# KiCad board reform2-motherboard.kicad_pcb (continued)
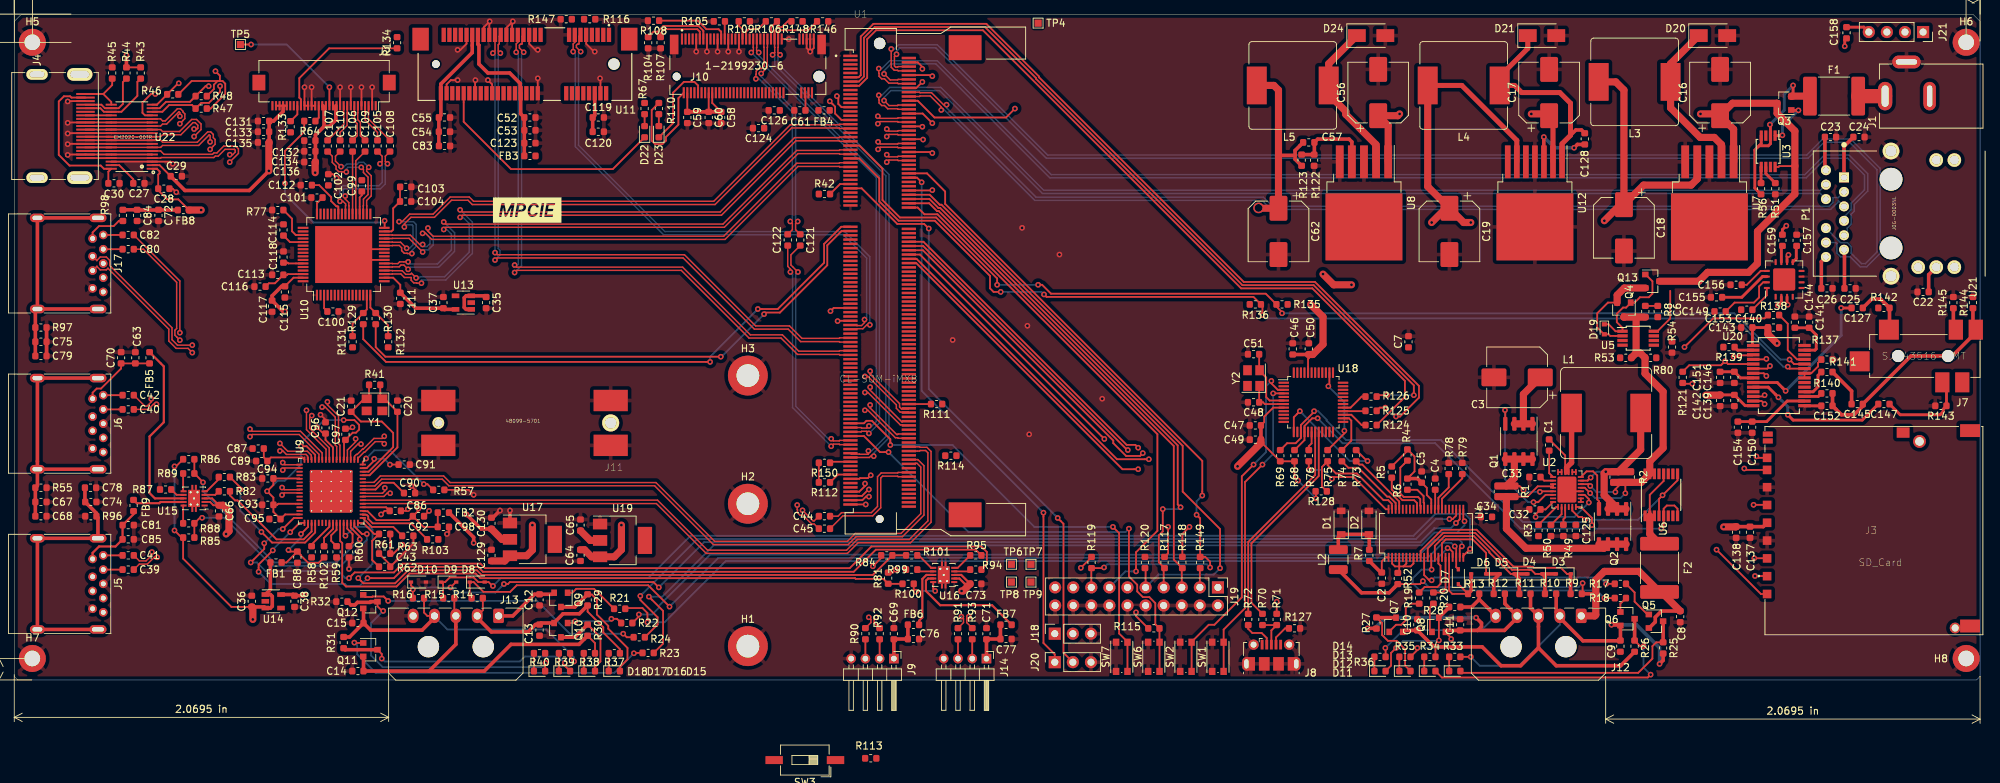
[diagram p0: board, top side]
## Routing (per net, layer and track width the routed paths; a pad name or vN(x,y) marks a point on that pad's centre or on a via; arc(x,y) is an arc through that point) (continued)
  Top w0.5: 58.25,1.25 66,1.25 69.75,5 79.29,5 R30.1 ; 58.25,1.25 62,5 J13.3 ; 58.25,1.25 C14.1 49.04,3.26 Q11.2
BAT8+: length 44.7
  Top w0.25: v1(78.6,2.6) 78.04,3.16 R39.1 ; J13.4 58,9 57.54,9.46 R16.1
  Top w0.5: Q12.2 49.04,10.01 C15.1 ; C15.1 50.04,7 57.26,7 59,8.74 J13.4 ; C15.1 47.08,6.04 R31.1
  Bottom w0.25: v1(78.6,2.6) 78.6,3.17 74.67,7.1 60.8,7.1 59,8.9 J13.4
BATPWR: length 50.3
  Top w0.25: v1(221.27,27.25) 221.02,27.5 U2.20 ; v1(221.26,26.24) 220.5,27 U2.19 ; U6.15 U6.14 230.37,29.05 ; v1(226.2,26.22) 226.2,27.3 R2.1 224.8,26.8 v1(224.8,26.4)
  Top w1: 226,50.95 Q4.3 226.04,50.96 227.71,50.96 ; 227.71,50.96 227.71,45.92 ; 227.71,50.96 R8.1 ; 227.71,45.92 228.29,45.92 R80.2 228.96,43.04 231.5,40.5 231.5,32.58 229.62,30.7 U6.15 228.43,27.75 225.25,27.75 ; 227.71,45.92 R53.2
  Bottom w0.25: v1(221.27,27.25) 222.12,26.4 v1(224.8,26.4) ; v1(226.2,26.22) 225.52,25.55 221.95,25.55 v1(221.26,26.24)
BMON_CS: length 14.9
  Top w0.25: v1(181.75,29.5) R76.1 ; v1(185,28.25) 185.25,28.5 188.05,28.5 192.57,23.97 U4.44
  Bottom w0.25: v1(181.75,29.5) 183.75,29.5 v1(185,28.25)
BMON_SCK: length 9.5
  Top w0.25: R73.1 188.86,30.25 189.26,30.25 194.45,25.06 U4.41
BMON_SDI: length 10.9
  Top w0.25: R74.1 187.31,29.81 188.69,29.81 192.75,25.75 193.05,25.75 193.95,24.85 U4.42
BMON_SDO: length 17.4
  Top w0.25: R128.1 183.6,27.19 183.6,29.91 R75.1 184.4,30.17 185.57,29 188.5,29 192.25,25.25 192.91,25.25 193.4,24.76 193.4,24.02 U4.43
CHG_SCL: length 74.9
  Top w0.25: v1(220.5,22.5) 220.1,22.9 219.63,22.9 218.75,23.78 U2.13 ; U6.9 233.52,28.04 230.93,25.44 U6.4 ; R69.2 178.71,33.25 179.9,33.25 180.65,34 U18.15 180.65,35.81 182.5,37.66 v1(182.5,37.75)
  Bottom w0.25: v1(231.42,25.94) 227.99,22.5 v1(220.5,22.5) 220.17,22.17 211.83,22.17 200.3,33.7 186.98,33.7 184.25,36.43 184.25,36.57 183.07,37.75 v1(182.5,37.75)
CHG_SDA: length 71.5
  Top w0.25: v1(221.5,21.75) 221.5,22.75 219.95,24.3 U2.14 ; v1(183,36.75) 182.22,36.75 181.15,35.67 U18.16 181.15,33.69 R68.2 ; U6.8 233.52,24.05 233.07,24.5 232.02,24.5 231.57,24.05 U6.5 231.57,21.58 v1(231.25,21.25)
  Bottom w0.25: v1(231.25,21.25) 222,21.25 v1(221.5,21.75) 220.93,21.75 220.43,21.25 211.5,21.25 199.5,33.25 186.5,33.25 v1(183,36.75)
DAC_BCLK: length 135.2
  Top w0.25: U20.3 244.07,45.6 242.17,45.6 241.97,45.4 v1(241.4,45.4) ; U1.197 118.65,26.45 119.45,27.25 v1(119.45,27.58)
  Signal.Cu w0.25: v1(241.4,45.4) 241,45.8 138.5,45.8 120.28,27.58 v1(119.45,27.58)
DAC_DIN: length 139.7
  Top w0.25: U1.203 v1(119.55,24.65) ; v1(246.5,44.1) 246.12,43.72 U20.6
  Signal.Cu w0.25: v1(246.5,44.1) 246,43.6 139.42,43.6 120.47,24.65 v1(119.55,24.65)
DAC_DOUT: length 138.7
  Top w0.25: v1(120,25.75) 119.58,25.75 119.08,25.25 U1.201 ; v1(246,45.1) 245.93,45.03 U20.4
  Signal.Cu w0.25: v1(246,45.1) 244.95,44.05 139.21,44.05 120.91,25.75 v1(120,25.75)
DAC_MCLK: length 138.3
  Top w0.25: v1(234.5,46.75) 238.54,50.79 245.75,50.79 R138.2 ; v1(120.25,28.75) 119.85,28.35 118.75,28.35 118.65,28.25 U1.191
  Signal.Cu w0.25: v1(234.5,46.75) 138.81,46.75 121.21,29.15 120.65,29.15 v1(120.25,28.75)
DAC_RXFS: length 14.3
  Top w0.25: U20.7 245.62,43.08 v1(246,42.7) ; R121.2 234.36,41.6 v1(235.6,41.6)
  Signal.Cu w0.25: v1(246,42.7) 244.9,41.6 v1(235.6,41.6)
DAC_SCL: length 150
  Top w0.25: v1(178,51.5) 178,51.66 177,52.66 ; v1(249.25,45) 249.88,44.38 U20.24 ; U1.43 118.65,75.05 121.9,71.8 121.9,67.4 124.35,64.95 129.44,64.95 138,56.39 v1(138,55.5) ; R135.2 175.71,54.25 145.57,54.25 144.32,55.5 v1(143.75,55.5)
  Bottom w0.25: v1(178,51.5) 241.5,51.5 248,45 v1(249.25,45) ; v1(138,55.5) v1(143.75,55.5)
DAC_SDA: length 149.8
  Top w0.25: v1(175.25,51.25) 175.25,52.41 175,52.66 ; v1(138.5,54.5) 137.5,54.5 137,55 137,56.75 129.25,64.5 124.16,64.5 121.45,67.21 121.45,70.45 118.65,73.25 U1.49 ; R136.2 173.99,53.8 144.92,53.8 v1(144.58,54.15) ; U20.23 249.27,43.72 v1(249,44)
  Bottom w0.25: v1(175.25,51.25) 175.73,50.77 241.59,50.77 248.36,44 v1(249,44) ; v1(138.5,54.5) 144.22,54.5 v1(144.58,54.15)
DAC_TXFS: length 141.3
  Top w0.25: U1.199 119.03,25.85 119.89,26.71 120,26.71 v1(120,26.75) ; U20.5 240.6,44.38 v1(240.2,44.78) 239.62,44.2 235.16,44.2 R121.1
  Signal.Cu w0.25: v1(240.2,44.78) 138.11,44.78 120.09,26.75 v1(120,26.75)
DSI_D0_N: length 78.9
  Top w0.2: v1(62.6,64.97) 62.9,65.28 99.29,65.28 109.74,75.72 115.82,75.72 115.9,75.65 U1.41 ; v1(56.43,56.47) 55.78,57.12 55.64,56.97 54.96,56.97 54.46,57.47 53.1,57.47 53.08,57.5 U10.20
  Bottom w0.2: v1(56.43,56.47) 56.85,56.47 57.01,56.62 60.41,56.62 63.88,60.09 63.88,64.11 63.01,64.97 v1(62.6,64.97)
DSI_D0_P: length 81.2
  Top w0.2: v1(62.6,66.03) 62.9,65.72 99.11,65.72 109.56,76.17 115.82,76.17 115.9,76.25 U1.39 ; U10.19 53.08,57 53.1,57.03 54.28,57.03 54.78,56.53 55.73,56.53 55.73,56.14 56.09,55.77 56.49,55.77 56.53,55.73 v1(57.17,55.73)
  Bottom w0.2: v1(57.17,55.73) 57.17,56.15 57.19,56.17 60.59,56.17 64.33,59.91 64.33,64.3 v1(62.6,66.03)
DSI_D1_N: length 75.6
  Top w0.2: v1(60.3,63.28) 60.6,63.58 99.69,63.58 110.04,73.92 115.82,73.92 115.9,73.85 U1.47 ; v1(55.3,58.72) 54.11,58.72 53.86,58.47 53.1,58.47 53.08,58.5 U10.22
  Bottom w0.2: v1(60.3,63.28) 60.71,63.28 61.38,62.61 61.38,60.39 59.41,58.42 55.6,58.42 v1(55.3,58.72)
DSI_D1_P: length 77.6
  Top w0.2: v1(60.3,64.33) 60.6,64.03 99.51,64.03 109.86,74.38 115.82,74.38 115.9,74.45 U1.45 ; v1(55.3,57.67) 54.7,58.28 54.29,58.28 54.04,58.03 53.1,58.03 53.08,58 U10.21
  Bottom w0.2: v1(60.3,64.33) 61.83,62.8 61.83,60.21 59.59,57.97 55.6,57.97 v1(55.3,57.67)
DSI_D2_N: length 77.8
  Top w0.2: v1(55.09,60.63) 54.24,61.47 53.1,61.47 53.08,61.5 U10.28 ; v1(54.77,63.63) 54.77,64.05 55.69,64.97 58.99,64.97 61.39,67.38 63.71,67.38 64.31,66.78 98.39,66.78 109.14,77.53 115.82,77.53 115.9,77.45 U1.35
  Bottom w0.2: v1(55.09,60.63) 55.51,60.63 55.97,61.09 55.97,63.81 55.86,63.92 55.06,63.92 v1(54.77,63.63)
DSI_D2_P: length 81
  Top w0.2: U10.27 53.08,61 53.1,61.03 54.06,61.03 54.39,60.69 54.39,60.3 54.75,59.93 55.15,59.93 55.19,59.89 v1(55.83,59.89) ; v1(54.03,64.37) 54.45,64.37 55.51,65.42 58.81,65.42 61.21,67.83 63.89,67.83 64.49,67.22 98.21,67.22 108.96,77.97 115.82,77.97 115.9,78.05 U1.33
  Bottom w0.2: v1(55.83,59.89) 55.83,60.31 56.42,60.91 56.42,63.99 56.05,64.37 v1(54.03,64.37)
DSI_D3_N: length 74.1
  Top w0.2: v1(57.33,62.73) 57.75,62.73 58.61,61.88 99.79,61.88 110.04,72.12 115.82,72.12 115.9,72.05 U1.53 ; U10.30 53.08,62.5 53.1,62.47 55.61,62.47 56.93,61.16 v1(57.34,61.16)
  Bottom w0.2: v1(57.34,61.16) 57.64,60.86 57.94,60.86 58.38,61.29 58.38,62.11 57.75,62.73 v1(57.33,62.73)
DSI_D3_P: length 75.1
  Top w0.2: v1(57.34,60.11) 55.43,62.03 53.1,62.03 53.08,62 U10.29 ; U1.51 115.9,72.65 115.82,72.58 109.86,72.58 99.61,62.33 58.79,62.33 58.07,63.05 v1(58.07,63.47)
  Bottom w0.2: v1(58.07,63.47) 58.07,63.05 58.83,62.29 58.83,61.11 58.13,60.41 57.64,60.41 v1(57.34,60.11)
EDP_AUX_DN: length 5.8
  Top w0.2: J2.10 46.25,79.67 46.28,79.65 46.28,78.06 C107.1
EDP_AUX_DP: length 5.3
  Top w0.2: J2.9 46.75,79.67 46.72,79.65 46.72,77.88 45.75,76.9 C110.1
EDP_SCL: length 81.6
  Top w0.25: v1(97.7,44.67) 52.19,44.67 49,47.86 R129.2 ; v1(104.4,52.1) 107.2,52.1 113.7,58.6 113.7,61.24 116.11,63.65 U1.73
  Bottom w0.25: v1(97.7,44.67) 97.7,45.4 v1(104.4,52.1)
EDP_SDA: length 79.4
  Top w0.25: v1(99.2,45.4) 52.1,45.4 50.75,46.75 R130.2 ; U1.75 116.15,63.05 114.15,61.05 114.15,58.25 107.5,51.6 105.4,51.6 105.4,51.5 v1(105.28,51.38)
  Bottom w0.25: v1(105.28,51.38) 99.3,45.4 v1(99.2,45.4)
EDP_TX0_DN: length 5.3
  Top w0.2: J2.7 47.75,79.67 47.78,79.65 47.78,78.51 48.15,78.13 48.15,76.44 C106.1
EDP_TX0_DP: length 5.3
  Top w0.2: C109.1 48.6,76.44 48.6,78.32 48.22,78.69 48.22,79.65 48.25,79.67 J2.6
EDP_TX1_DN: length 5.6
  Top w0.2: J2.4 49.25,79.67 49.28,79.65 49.28,78.63 51,76.9 C105.1
EDP_TX1_DP: length 6.1
  Top w0.2: J2.3 49.75,79.67 49.72,79.65 49.72,78.81 C108.1
ETH0_A+: length 175.9
  Top w0.2: v1(123.13,88.62) 123.13,86.05 123.56,85.62 124.02,85.62 124.1,85.55 U1.8
  Bottom w0.2: v1(123.13,88.62) 123.55,88.62 124.16,89.22 129.59,89.22 145.09,73.72 251.66,73.72 253.91,75.97 257.84,75.97 261.98,71.84 261.98,59.91 260.09,58.03 259.16,58.03 257.76,59.43 256.42,59.43 255.9,59.95 255.9,61.29 255.75,61.44 P1.11
ETH0_A-: length 173.1
  Top w0.2: U1.6 124.1,86.15 124.02,86.08 123.74,86.08 123.58,86.24 123.58,87.59 v1(123.87,87.88)
  Bottom w0.2: P1.10 256.4,61.42 257.38,61.42 257.9,60.9 257.9,59.93 259.35,58.47 259.91,58.47 261.52,60.09 261.52,71.66 257.66,75.53 254.09,75.53 251.84,73.28 144.91,73.28 129.41,88.78 124.34,88.78 123.87,88.3 v1(123.87,87.88)
ETH0_B+: length 158.7
  Top w0.2: U1.12 124.1,84.35 124.02,84.28 122.97,84.28 v1(122.12,85.13)
  Bottom w0.2: P1.4 256.9,65.04 257.9,66.04 257.9,66.97 259.77,68.84 259.77,70.91 257.41,73.28 254.34,73.28 251.59,70.53 145.41,70.53 129.41,86.53 123.09,86.53 122.12,85.55 v1(122.12,85.13)
ETH0_B-: length 163.9
  Top w0.2: U1.14 124.1,83.75 124.02,83.83 122.79,83.83 122.18,84.43 121.79,84.43 121.42,84.79 121.42,85.19 121.38,85.23 v1(121.38,85.87)
  Bottom w0.2: P1.5 257.35,62.91 257.35,63.46 257.9,64.01 257.9,65.4 258.35,65.85 258.35,66.78 260.23,68.66 260.23,71.09 257.59,73.72 254.16,73.72 251.41,70.97 145.59,70.97 129.59,86.97 122.91,86.97 121.8,85.87 v1(121.38,85.87)
ETH0_C+: length 139.1
  Top w0.2: U1.20 127.1,81.95 127.18,82.03 128.61,82.03 130.15,80.48 v1(130.15,80.05)
  Bottom w0.2: v1(130.15,80.05) 130.53,80.05 130.54,80.05 130.59,80.05 143.28,67.35 175.2,67.35 176.47,66.09 255.03,66.09 256.11,67.17 256.11,67.31 P1.3
ETH0_C-: length 139.4
  Top w0.2: v1(130.9,80.8) 130.47,80.8 128.79,82.47 127.18,82.47 127.1,82.55 U1.18
  Bottom w0.2: P1.2 256.11,67.75 255.36,67.75 255.36,67.06 254.84,66.54 176.65,66.54 175.39,67.8 143.47,67.8 130.9,80.36 130.9,80.41 130.9,80.42 v1(130.9,80.8)
ETH0_D+: length 145.4
  Top w0.2: v1(121.38,82.12) 121.38,81.48 121.42,81.44 121.42,81.04 121.79,80.68 122.18,80.68 122.64,80.22 124.02,80.22 124.1,80.15 U1.26
  Bottom w0.2: P1.8 253.57,68.78 144.54,68.78 130.09,83.22 122.91,83.22 121.8,82.12 v1(121.38,82.12)
ETH0_D-: length 143.2
  Top w0.2: v1(122.12,81.38) 122.82,80.67 124.02,80.67 124.1,80.75 U1.24
  Bottom w0.2: v1(122.12,81.38) 122.12,81.8 123.09,82.78 129.91,82.78 144.36,68.33 253.57,68.33 P1.9
ETH0_LED_LINK1: length 168.1
  Top w0.25: v1(127.5,84) 126.65,83.15 U1.16
  Signal.Cu w0.25: v1(127.5,84) 128.76,84 164.76,48 265.75,48 272.39,54.64 P1.17
ETH0_LED_LINK2: length 198.9
  Top w0.25: v1(140.5,80.25) 139.25,79 129.2,79 126.85,81.35 U1.22
  Signal.Cu w0.25: P1.15 267.31,61.56 275.25,69.5 275.25,73.25 273.25,75.25 268.72,75.25 266.25,72.78 266.25,65 250.25,49 171.75,49 v1(140.5,80.25)
ETH0_LED_RX: length 173.4
  Top w0.25: v1(127.5,85.83) 127.5,86.1 126.85,86.75 U1.4
  Signal.Cu w0.25: P1.13 269.85,67.85 250.5,48.5 166.75,48.5 129.43,85.83 v1(127.5,85.83)
HDMI_CEC: length 118.8
  Top w0.25: U22.16 18.35,79.3 18,79.65 18,81.1 19.2,82.3 v1(19.8,82.3) ; v1(127.5,77.7) 127.45,77.75 U1.34
  Signal.Cu w0.25: v1(127.5,77.7) 124.65,80.55 114.15,80.55 114.05,80.65 28.45,80.65 24.4,84.7 22.2,84.7 v1(19.8,82.3)
HDMI_D0+: length 118.5
  Top w0.2: U1.36 124.1,77.15 124.02,77.08 122.8,77.08 v1(122.5,77.38) ; U22.29 U22.10 20.55,76.3 20.83,76.58 23.39,76.58 25.09,78.28 25.41,78.28 25.78,77.91 25.78,77.49 25.66,77.38 v1(25.25,77.38)
  Top w0.25: U22.29 J4.7
  Signal.Cu w0.2: v1(25.25,77.38) 25.55,77.08 122.2,77.08 v1(122.5,77.38)
HDMI_D0-: length 120.2
  Top w0.2: v1(25.25,76.33) 26.22,77.3 26.22,78.09 25.59,78.72 24.91,78.72 23.21,77.03 20.83,77.03 20.55,77.3 U22.12 ; v1(122.5,76.33) 122.8,76.62 124.02,76.62 124.1,76.55 U1.38
  Top w0.25: U22.12 U22.27 J4.9
  Signal.Cu w0.2: v1(25.25,76.33) 25.55,76.62 122.2,76.62 v1(122.5,76.33)
HDMI_D1+: length 117.6
  Top w0.2: v1(27.5,75.58) 27.5,76.43 27.41,76.53 27.34,76.53 25.89,75.08 20.83,75.08 20.55,74.8 U22.7 U22.32 ; v1(121.28,75.58) 121.58,75.28 124.02,75.28 124.1,75.35 U1.42
  Top w0.25: U22.32 J4.4
  Signal.Cu w0.2: v1(121.28,75.58) 120.98,75.28 27.8,75.28 v1(27.5,75.58)
HDMI_D1-: length 119.8
  Top w0.2: U1.44 124.1,74.75 124.02,74.83 121.58,74.83 v1(121.28,74.53) ; v1(27.5,74.53) 27.95,74.97 27.95,74.99 28.2,75.24 28.2,75.91 27.95,76.16 27.95,76.62 27.59,76.97 27.16,76.97 25.71,75.53 20.83,75.53 20.55,75.8 U22.9
  Top w0.25: U22.9 U22.30 J4.6
  Signal.Cu w0.2: v1(27.5,74.53) 27.8,74.83 120.98,74.83 v1(121.28,74.53)
HDMI_D2+: length 118.7
  Top w0.2: v1(30.25,73.78) 30.66,73.78 31.03,74.14 31.03,74.41 30.91,74.53 29.59,74.53 28.64,73.58 28.22,73.58 28.02,73.38 20.63,73.38 20.55,73.3 U22.4 U22.35 ; v1(122.5,73.78) 122.8,73.47 124.02,73.47 124.1,73.55 U1.48
  Top w0.25: U22.35 J4.1
  Signal.Cu w0.2: v1(122.5,73.78) 122.2,73.47 53.1,73.47 52.92,73.65 50.83,73.65 50.65,73.47 30.55,73.47 v1(30.25,73.78)
HDMI_D2-: length 120.6
  Top w0.2: U22.6 20.55,74.3 21.03,73.82 27.84,73.82 28.04,74.03 28.46,74.03 29.41,74.97 31.09,74.97 31.47,74.59 31.47,73.95 v1(30.25,72.72) ; v1(122.5,72.72) 122.8,73.03 124.02,73.03 124.1,72.95 U1.50
  Top w0.25: J4.3 U22.33 U22.6
  Signal.Cu w0.2: v1(122.5,72.72) 122.2,73.03 52.91,73.03 52.74,73.2 51.01,73.2 50.84,73.03 30.55,73.03 v1(30.25,72.72)
HDMI_D3+: length 117.4
  Top w0.2: U1.30 124.1,78.95 124.02,78.88 121.55,78.88 v1(121.25,79.17) ; v1(23.25,79.17) 23.25,79.68 23.16,79.78 23.09,79.78 21.39,78.08 20.83,78.08 20.55,77.8 U22.13
  Top w0.25: U22.13 U22.26 J4.10
  Signal.Cu w0.2: v1(121.25,79.17) 120.95,78.88 23.55,78.88 v1(23.25,79.17)
HDMI_D3-: length 119.6
  Top w0.2: U1.32 124.1,78.35 124.02,78.42 121.55,78.42 v1(121.25,78.12) ; U22.15 20.55,78.8 20.83,78.53 21.21,78.53 22.91,80.22 23.34,80.22 23.7,79.87 23.7,79.76 23.95,79.51 23.95,78.84 23.7,78.59 23.7,78.58 v1(23.25,78.12)
  Top w0.25: J4.12 U22.24 U22.15
  Signal.Cu w0.2: v1(23.25,78.12) 23.55,78.42 120.95,78.42 v1(121.25,78.12)
HDMI_HPD: length 114.7
  Top w0.25: v1(127.6,75.9) 127.55,75.95 U1.40 ; R46.1 23.01,83.8 v1(23.1,83.8) ; U22.19 20.03,80.8 21.23,82 21.46,82
  Signal.Cu w0.25: v1(127.6,75.9) 126.53,75.9 122.43,80 26.9,80 v1(23.1,83.8)
HDMI_SCL: length 102.1
  Top w0.25: U22.17 20.8,79.8 21.75,80.75 24.96,80.75 R47.1 26.26,81.05 27.33,81.05 28.9,82.62 v1(28.9,83.4) ; v1(115.5,82) 115.6,81.9 115.6,81.8 115.7,81.7 115.7,80.9 116.15,80.45 U1.25
  Signal.Cu w0.25: v1(28.9,83.4) 29.47,83.4 30.87,82 v1(115.5,82)
HDMI_SDA: length 101.8
  Top w0.25: v1(114.5,81.27) 115.25,80.52 115.25,79.55 116.15,78.65 U1.31 ; U22.18 20.41,80.3 21.31,81.2 24.66,81.2 R48.1 26.86,83.4 v1(27.3,83.4)
  Signal.Cu w0.25: v1(114.5,81.27) 29.43,81.27 v1(27.3,83.4)
IMX_JTAG_RSTn: length 95.2
  Top w0.25: v1(167.9,15.8) 167.9,16.6 167.21,17.29 R149.2 166.5,22.7 v1(166,23.2) ; v1(153,15.8) 152.91,15.71 R119.2 151.22,15.68 J19.15 ; U1.56 128.15,71.15 130.7,68.6 130.7,66.87 166.8,30.77 v1(166.8,25.9)
  Bottom w0.25: v1(153,15.8) 153.45,16.25 167.45,16.25 v1(167.9,15.8) ; v1(166,23.2) 166,25.1 v1(166.8,25.9)
IMX_JTAG_TCK: length 86.7
  Top w0.25: J19.9 158.84,15.62 R120.1 ; U1.66 128.53,68.15 129.93,66.75 130.18,66.75 164.05,32.88 164.05,26.45 169.3,21.2 v1(169.3,15.7)
  Bottom w0.25: v1(169.3,15.7) 168.4,14.8 160.64,14.8 J19.9
IMX_JTAG_TDI: length 71.7
  Top w0.25: J19.5 163.92,15.63 R118.2 162.8,16.91 162.8,32.86 129.81,65.85 129.56,65.85 128.46,66.95 U1.70
IMX_JTAG_TDO: length 73.3
  Top w0.25: v1(157.5,15.25) 157.5,17.94 160.5,20.94 160.5,34.52 129.62,65.4 127.8,65.4 126.85,66.35 U1.72
  Bottom w0.25: v1(157.5,15.25) 156.01,15.25 J19.13
IMX_JTAG_TMS: length 75.2
  Top w0.25: v1(163.75,24.25) 163.35,24.65 163.35,32.95 130,66.3 129.75,66.3 128.5,67.55 U1.68 ; v1(161.25,24) 161.25,20.86 160.7,20.31 160.7,16.51 R117.2 161.38,15.59 J19.7
  Bottom w0.25: v1(163.75,24.25) 163.5,24 v1(161.25,24)
IMX_ONOFF: length 64.8
  Top w0.25: v1(154.25,21.5) 155.12,20.63 155.12,6.53 156.3,5.35 SW7.2 SW7.2 ; v1(123,33) 123,33.82 120.42,36.4 119.65,36.4 119.3,36.05 U1.165
  Bottom w0.25: v1(123,33) 131.73,33 143.23,21.5 v1(154.25,21.5)
IMX_RESETn: length 67.2
  Top w0.25: v1(156.5,21.25) 156.5,14.54 157.66,13.37 157.66,12.44 158.47,11.64 159.36,11.64 160.2,10.8 160.2,7.83 R115.2 160.79,5.31 SW6.2 SW6.2 ; v1(122.75,32) 121.55,32 119.3,34.25 U1.171
  Bottom w0.25: v1(122.75,32) 133.98,20.77 156.02,20.77 v1(156.5,21.25)
IMX_UART1_RX: length 75
  Top w0.25: v1(115.6,50.4) 115.65,50.45 U1.117
  Signal.Cu w0.25: v1(115.6,50.4) 122.55,43.45 122.55,33.62 122.02,33.1 122.02,31.02 120.85,29.85 120.15,29.85 118.6,28.3 118.6,16.15 123.15,11.6 141.1,11.6 144.6,8.1 147.03,8.1 J18.2
IMX_UART1_TX: length 75.8
  Top w0.25: v1(114.6,51.8) 115.05,52.25 U1.111
  Signal.Cu w0.25: v1(114.6,51.8) 114.6,50.2 122.1,42.7 122.1,33.81 121.57,33.28 121.57,31.21 120.66,30.3 119.96,30.3 118.15,28.49 118.15,15.96 122.96,11.15 140.34,11.15 144.99,6.5 J18.1
IMX_UART2_RX: length 82.6
  Top w0.25: v1(146.5,22.75) 147.32,21.93 147.32,3.81 J20.2 ; v1(128.4,63.4) 127.75,64.05 123.98,64.05 118.98,69.05 U1.63
  Bottom w0.25: v1(146.5,22.75) 128.4,40.85 v1(128.4,63.4)
IMX_UART2_TX: length 77.2
  Top w0.25: J20.1 146.09,3.6 144.5,5.19 v1(144.5,23.5) ; U1.58 126.75,70.55 v1(127.4,69.9)
  Bottom w0.25: v1(144.5,23.5) 127.4,40.6 v1(127.4,69.9)
LPC_MISO: length 112.5
  Top w0.25: R124.2 194.74,39.25 194.75,39.25 195.25,39.75 195.25,42 182.25,55 172.25,55 136,91.25 121,91.25 119.75,90 119.75,84.57 118.63,83.45 U1.15
LPC_MOSI: length 116.6
  Top w0.25: v1(192.5,38.25) 191.74,38.25 R125.2 ; U1.11 118.56,84.65 118.85,84.94 118.85,90.37 120.63,92.15 136.49,92.15 143.89,84.75 143.89,84.64 172.62,55.9 182.62,55.9 197.23,41.3 197.23,39.66 194.57,37 v1(194,37)
  Bottom w0.25: v1(194,37) 193.75,37 v1(192.5,38.25)
LPC_SCK: length 113
  Top w0.25: v1(196.5,40) 196.5,41.39 182.44,55.45 172.44,55.45 143.44,84.45 143.44,84.56 136.3,91.7 120.81,91.7 119.3,90.19 119.3,84.75 118.6,84.05 U1.13 ; v1(192.75,40) 191.49,40 R126.2
  Bottom w0.25: v1(196.5,40) v1(192.75,40)
PCIE1_CLK_N: length 76.1
  Top w0.2: U11.11 79.3,90.4 79.3,89.36 79.24,89.3 79.08,89.3 78.92,89.15 78.92,88.85 v1(79.53,88.25) ; U1.121 118.22,49.25 118.3,49.33 119.14,49.33 119.7,49.88 v1(120.12,49.88)
  Bottom w0.2: v1(120.12,49.88) 120.12,59.45 116.59,62.97 91.34,62.97 79.22,75.09 79.22,87.95 v1(79.53,88.25)
PCIE1_CLK_P: length 74.7
  Top w0.2: v1(119.38,50.62) 119.38,50.2 118.96,49.78 118.3,49.78 118.22,49.85 U1.119 ; v1(78.47,88.25) 78.47,89.33 78.7,89.56 U11.13
  Bottom w0.2: v1(119.38,50.62) 119.67,50.91 119.67,59.26 116.41,62.53 91.16,62.53 78.78,74.91 78.78,87.95 v1(78.47,88.25)
PCIE1_RX_N: length 86.7
  Top w0.2: v1(71.53,88.16) 70.92,88.76 70.92,89.15 71.08,89.3 71.24,89.3 71.3,89.36 71.3,90.4 U11.23 ; v1(70.25,57.22) 70.55,57.53 93.66,57.53 103.16,48.03 107.66,48.03 109.96,45.72 115.82,45.72 115.9,45.65 U1.133
  Bottom w0.2: v1(71.53,88.16) 71.22,87.86 71.22,58.2 v1(70.25,57.22)
PCIE1_RX_P: length 85.2
  Top w0.2: U1.131 115.9,46.25 115.82,46.17 110.14,46.17 107.84,48.47 103.34,48.47 93.84,57.97 70.55,57.97 v1(70.25,58.28) ; U11.25 70.7,89.56 70.47,89.33 v1(70.47,88.16)
  Bottom w0.2: v1(70.25,58.28) 70.66,58.28 70.78,58.39 70.78,87.86 v1(70.47,88.16)
PCIE1_TX_N: length 87.3
  Top w0.2: U11.31 68.1,90.4 68.1,89.36 67.95,89.21 67.95,88.33 v1(68.25,88.03) ; v1(67.5,58.97) 67.8,59.28 93.91,59.28 103.91,49.28 108.66,49.28 110.41,47.53 115.82,47.53 115.9,47.45 U1.127
  Bottom w0.2: v1(68.25,88.03) 67.95,87.73 67.95,60.61 68.2,60.36 68.2,59.69 67.95,59.44 67.95,59.42 v1(67.5,58.97)
PCIE1_TX_P: length 85.7
  Top w0.2: U1.125 115.9,48.05 115.82,47.97 110.59,47.97 108.84,49.72 104.09,49.72 94.09,59.72 67.8,59.72 v1(67.5,60.03) ; v1(67.2,88.03) 67.5,88.33 U11.33
  Bottom w0.2: v1(67.5,60.03) 67.5,87.73 v1(67.2,88.03)
PCIE2_CLK_N: length 72.9
  Top w0.2: J10.53 106.75,88.86 106.78,88.84 106.78,88.1 v1(106.47,87.8) ; v1(119.93,32.17) 119.93,31.75 119.88,31.7 118.67,31.7 118.64,31.73 117.52,31.73 U1.179
  Top w0.25: R148.1 108.6,92.5 107.8,91.7 107.28,91.7 106.75,91.17 J10.53
  Bottom w0.2: v1(119.93,32.17) 120.35,32.17 122.38,34.19 122.38,70.81 106.78,86.41 106.78,87.5 v1(106.47,87.8)
PCIE2_CLK_P: length 76.6
  Top w0.2: U1.181 120.07,31.25 120.25,31.43 v1(120.67,31.43) ; J10.55 107.25,88.86 107.22,88.84 107.22,88.1 v1(107.53,87.8)
  Top w0.25: J10.55 107.25,91.04 107.46,91.25 111.46,91.25 R146.1
  Bottom w0.2: v1(107.53,87.8) 107.22,87.5 107.22,86.59 122.82,70.99 122.82,34.01 120.67,31.85 v1(120.67,31.43)
PCIE2_RX_N: length 65.2
  Top w0.2: J10.41 103.75,88.86 103.78,88.84 103.78,88.42 v1(103.47,88.12) ; v1(120,35.67) 119.7,35.38 118.98,35.38 118.9,35.45 U1.167
  Bottom w0.2: v1(103.47,88.12) 121.03,70.57 121.03,36.29 120.41,35.67 v1(120,35.67)
PCIE2_RX_P: length 65.9
  Top w0.2: v1(120,34.62) 119.7,34.92 118.98,34.92 118.9,34.85 U1.169 ; v1(104.53,88.12) 104.22,88.42 104.22,88.84 104.25,88.86 J10.43
  Bottom w0.2: v1(104.53,88.12) 104.53,87.71 121.47,70.76 121.47,36.1 v1(120,34.62)
PCIE2_TX_N: length 33.6
  Top w0.2: C122.2 108.6,58.09 108.97,57.71 v1(108.97,57.3) ; U1.175 115.9,33.05 115.82,33.12 115,33.12 v1(114.7,32.83)
  Bottom w0.2: v1(114.7,32.83) 109.28,38.25 109.28,57 v1(108.97,57.3)
PCIE2_TX_P: length 33.4
  Top w0.2: v1(110.03,57.3) 109.05,58.28 109.05,59.71 C121.2 ; U1.173 115.9,33.65 115.82,33.58 115,33.58 v1(114.7,33.88)
  Bottom w0.2: v1(114.7,33.88) 114.29,33.88 109.72,38.44 109.72,57 v1(110.03,57.3)
SD2_CD: length 3.4
  Top w0.25: U1.61 115.94,69.65 R42.2
SD2_CLK: length 139.7
  Top w0.25: v1(244.2,24.6) 246.07,24.6 J3.5 ; U1.80 127.65,61.55 156.18,33.02 157.4,33.02 v1(157.8,32.62)
  Signal.Cu w0.25: v1(244.2,24.6) 244.2,30.3 241.35,33.15 224.46,33.15 224.31,33.3 162.65,33.3 161.97,32.62 v1(157.8,32.62)
SD2_CMD: length 140.1
  Top w0.25: v1(156.34,32.29) 156.27,32.29 127.61,60.95 U1.82 ; J3.2 246.07,17.1 v1(244.3,17.1)
  Signal.Cu w0.25: v1(156.34,32.29) 158.44,30.2 161.46,30.2 163.21,31.95 223.75,31.95 238.6,17.1 v1(244.3,17.1)
SD2_DATA0: length 134.6
  Top w0.25: U1.84 127.58,60.35 154.31,33.62 154.31,33.26 156.11,31.46 158.05,31.46 v1(158.45,31.86) ; v1(242.9,29.7) 243.1,29.5 J3.7
  Signal.Cu w0.25: v1(158.45,31.86) 161.85,31.86 162.84,32.85 224.12,32.85 227.27,29.7 v1(242.9,29.7)
SD2_DATA1: length 132.3
  Top w0.25: J3.8 244.8,31.2 v1(244.6,31.4) ; v1(153.05,33.85) 127.15,59.75 U1.86
  Signal.Cu w0.25: v1(153.05,33.85) 242.15,33.85 v1(244.6,31.4)
SD2_DATA2: length 141.2
  Top w0.25: v1(239,18.3) 245.23,12.08 J3.9 ; v1(159.3,31) 154.83,31 126.68,59.15 U1.88
  Signal.Cu w0.25: v1(239,18.3) 238.04,18.3 223.94,32.4 163.03,32.4 161.63,31 v1(159.3,31)
SD2_DATA3: length 140.3
  Top w0.25: U1.90 126.64,58.55 155.59,29.6 v1(157.8,29.6) ; v1(244.4,14.6) 246.07,14.6 J3.1
  Signal.Cu w0.25: v1(157.8,29.6) 161.5,29.6 163.4,31.5 223.56,31.5 240.46,14.6 v1(244.4,14.6)
USB1_DN: length 96.4
  Top w0.2: U9.54 90.32,25.25 97.34,18.22 116.86,18.22 118.36,19.72 125.66,19.72 128.28,22.34 128.28,31.91 127.96,32.22 127.18,32.22 127.1,32.15 U1.178
USB1_DP: length 97.8
  Top w0.2: U9.53 48.96,24.78 90.16,24.78 97.16,17.78 116.97,17.78 118.47,19.28 125.84,19.28 128.72,22.16 128.72,32.09 128.14,32.67 127.18,32.67 127.1,32.75 U1.176
USB1_RX_N: length 92.6
  Top w0.2: U1.184 126.43,30.35 126.5,30.42 126.76,30.42 127.28,29.91 127.28,23.34 124.51,20.58 118.08,20.58 116.98,19.47 98.34,19.47 90.09,27.72 61.21,27.72 60.28,28.65 51.4,28.65 50.5,27.75 U9.59
USB1_RX_P: length 94.1
  Top w0.2: U9.58 50.63,27.25 51.58,28.2 60.1,28.2 61.02,27.28 89.91,27.28 98.16,19.03 117.09,19.03 118.19,20.13 124.69,20.13 127.72,23.16 127.72,30.09 126.87,30.95 U1.182
USB1_TX_N: length 16.6
  Top w0.2: U1.190 124.1,28.55 124.02,28.62 121.91,28.62 121.65,28.36 121.65,24.18 120.52,23.05 116.34,23.05 C45.2
USB1_TX_P: length 16.1
  Top w0.2: C44.2 115.65,23 116.15,23.5 120.34,23.5 121.2,24.37 121.2,28.55 121.73,29.08 124.02,29.08 124.1,29.15 U1.188
USB2_DN: length 127.1
  Top w0.2: v1(120.17,38.62) 120.17,38.2 123.89,34.47 124.02,34.47 124.1,34.55 U1.170 ; J17.2 11.6,58.9 11.6,58.93 12.07,59.4 12.93,59.4 13.4,58.93 13.4,58.21 22.15,49.46 22.15,47.79 22.91,47.02 v1(25,47.03)
  Signal.Cu w0.2: v1(120.17,38.62) 119.75,38.62 111.64,46.72 25.3,46.72 v1(25,47.03)
USB2_DP: length 126.5
  Top w0.2: J17.3 11.6,58.1 11.6,58.07 12.07,57.6 12.93,57.6 13.15,57.82 21.7,49.28 21.7,47.6 22.73,46.58 24.4,46.58 v1(25,45.97) ; U1.172 124.1,33.95 124.02,34.03 123.71,34.03 119.85,37.88 v1(119.43,37.88)
  Signal.Cu w0.2: v1(25,45.97) 25.3,46.28 111.46,46.28 119.43,38.3 v1(119.43,37.88)
USB2_RX_N: length 121.8
  Top w0.2: U1.160 125.53,37.62 124.37,37.62 123.85,38.15 123.85,38.63 119.86,42.62 119.81,42.62 119.8,42.63 v1(119.43,42.63)
  Signal.Cu w0.2: J17.5 13.86,54.5 15.52,52.84 15.52,50.91 16.66,49.78 112.71,49.78 119.43,43.05 v1(119.43,42.63)
USB2_RX_P: length 122.4
  Top w0.2: v1(120.17,43.37) 120.17,43 120.18,42.99 120.18,42.94 124.3,38.82 124.3,38.33 124.56,38.08 125.53,38.08 U1.158
  Signal.Cu w0.2: J17.6 15.98,53.03 15.98,51.09 16.84,50.22 112.89,50.22 119.75,43.37 v1(120.17,43.37)
USB2_TX_N: length 124.3
  Top w0.2: U1.166 124.78,35.75 124.7,35.83 124.41,35.83 119.85,40.38 v1(119.43,40.38) ; v1(23.25,47.72) 22.8,48.17 22.8,48.19 22.55,48.44 22.55,49.11 22.8,49.36 22.8,55.85 18.15,60.5 C80.1
  Signal.Cu w0.2: v1(119.43,40.38) 119.43,40.8 112.21,48.03 23.55,48.03 v1(23.25,47.72)
